# KiCad board Leonhart.kicad_pcb (continued)
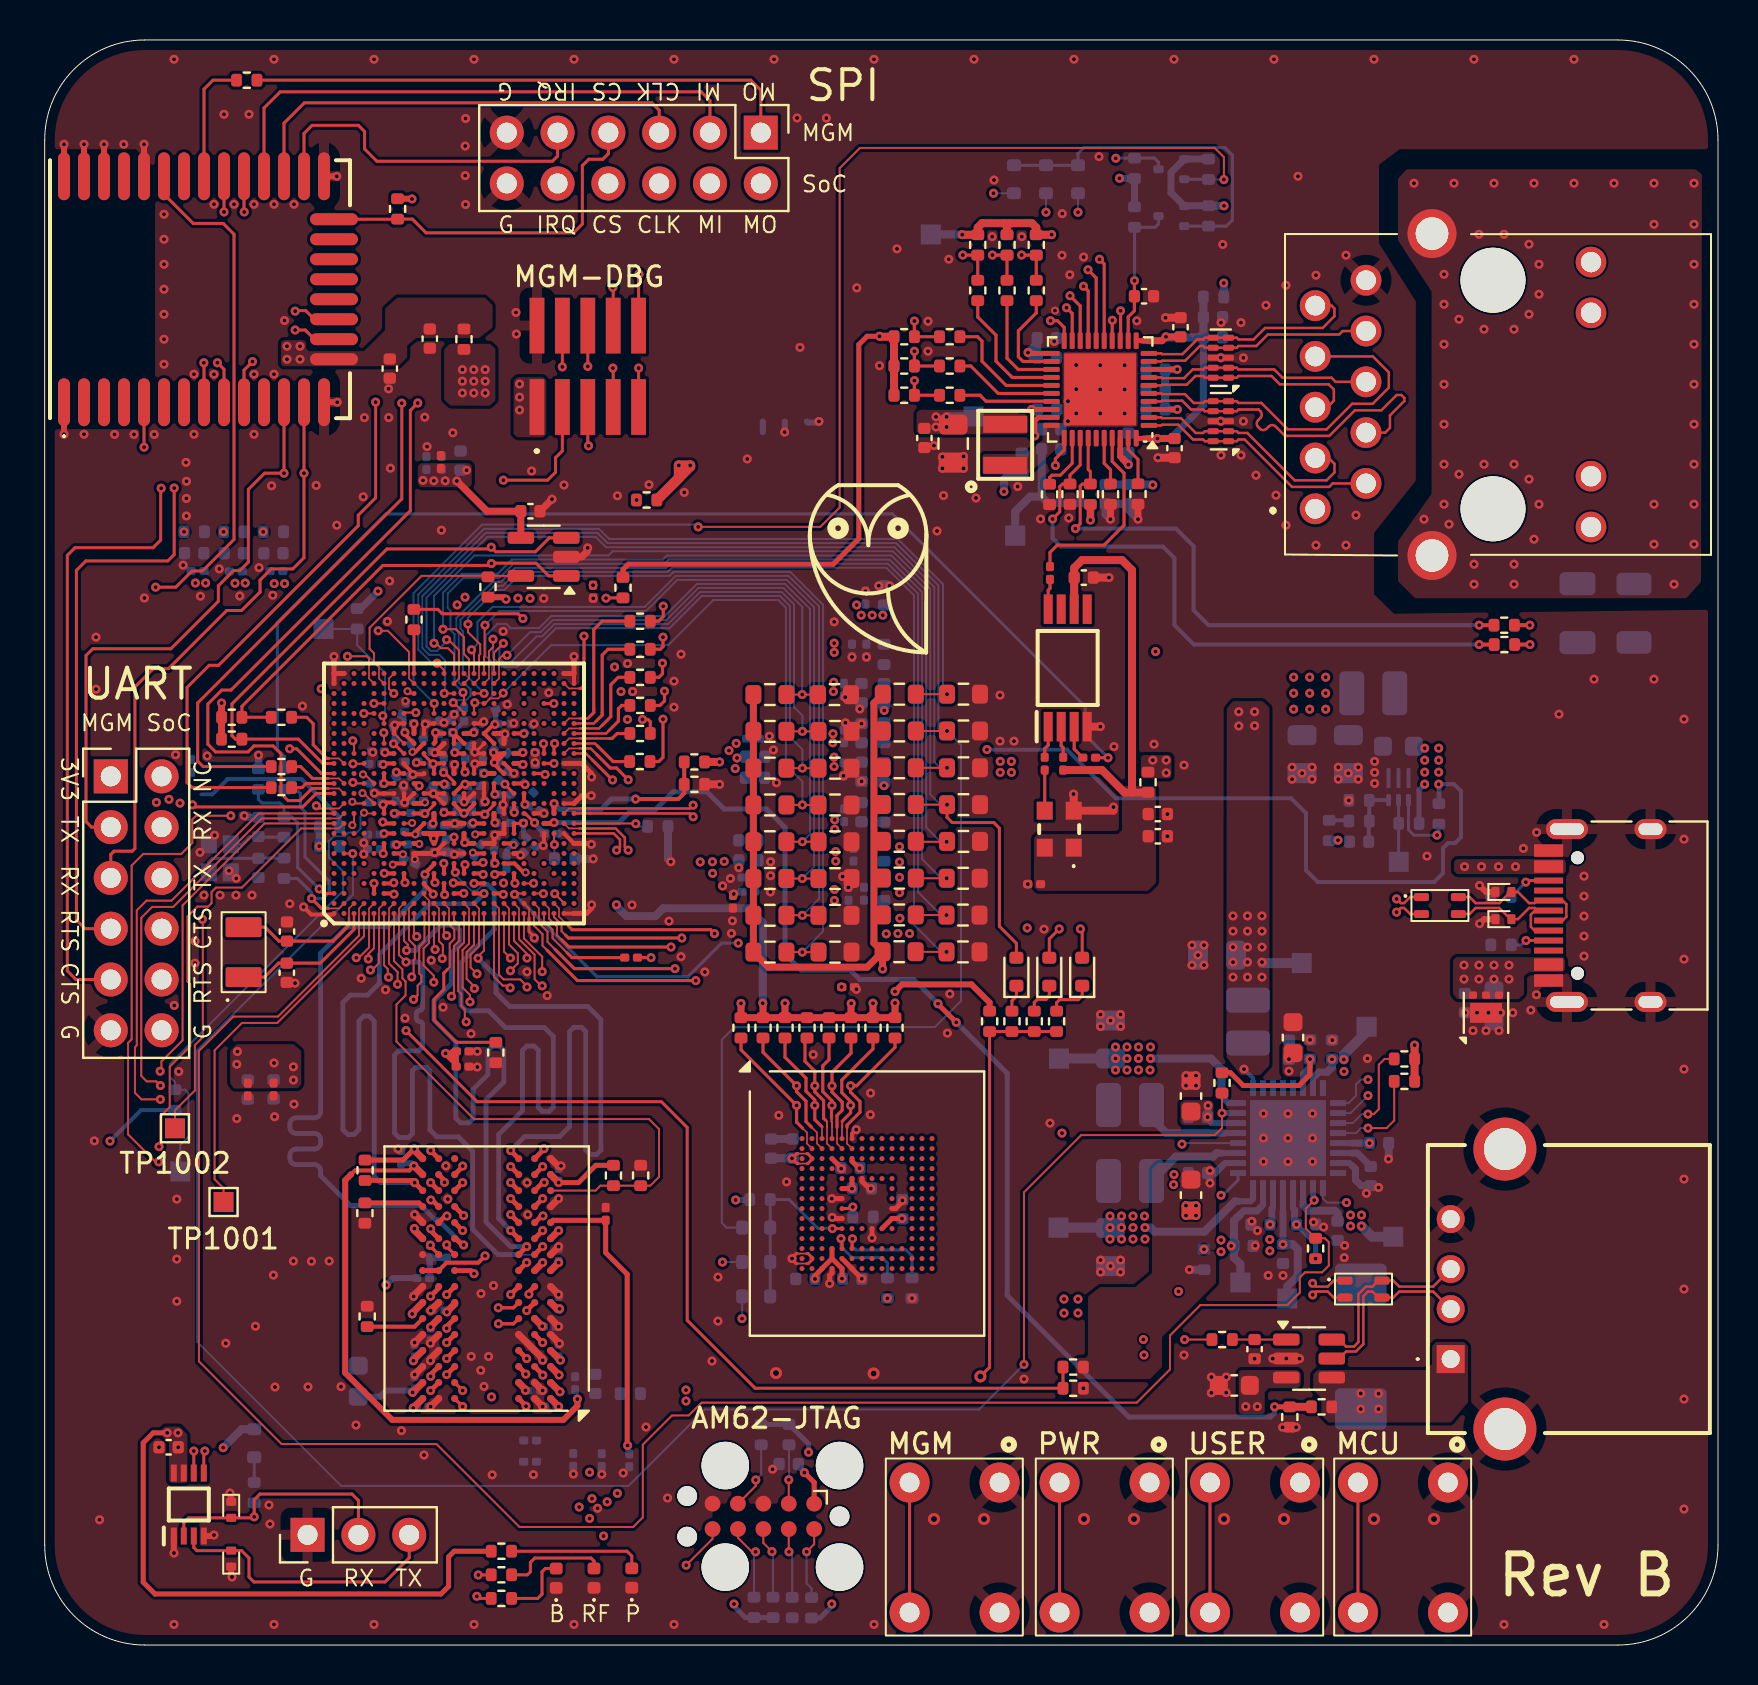
[diagram p0: board, top side]
## Routing (per net, layer and track width the routed paths; a pad name or vN(x,y) marks a point on that pad's centre or on a via; arc(x,y) is an arc through that point) (continued)
UART5_RTSn: length 24.4
  Top w0.081: 17.21,47.89 17.21,48.34 U1002.G25
  Top w0.102: 17.21,47.89 17.21,47.82 17.41,47.62 17.42,47.62 v1(17.45,47.59)
  In5.Cu w0.1: v1(17.45,47.59) 17.45,47.55 16.38,46.48 16.38,45.15 15.79,44.56 15.79,43.91 15.57,43.69 15.07,43.69
  In5.Cu w0.15: 15.07,43.69 14.95,43.69 14.13,42.88 8.49,42.88 8.3,42.69 8.3,41.17 8.09,40.97 8.09,40.14 8.21,40.02 8.21,38.7 7.08,37.56 7.08,35 6.62,34.54 6.04,34.54 5.85,34.35 5.85,33.29 J2001.10
UART5_RXD: length 20.1
  Top w0.1: v1(18.56,46.63) 18.55,46.63 18.01,46.63 U1002.H21
  In2.Cu w0.15: v1(18.56,46.63) 18.56,48.07 18.29,48.34 15.48,48.34 14.83,47.68 14.83,44.04 14.38,43.59 9.93,43.59 7.24,40.9 J2001.4
UART5_TXD: length 21.5
  Top w0.081: U1002.E24 16.21,48.34 16.21,48.91
  Top w0.1: v1(15.14,49.44) 16.11,49.44 16.21,49.34 16.21,48.91
  In5.Cu w0.15: v1(15.14,49.44) 14.59,48.9 14.59,43.95 13.87,43.23 8.17,43.23 7.86,42.92 7.86,41.76 7.31,41.2 7.31,38.61 7.06,38.36 J2001.6
USER_BTN: length 42.7
  Top w0.15: 50.59,30.68 47.24,30.68 47.24,13.89 v4(46.78,13.43) ; 58.26,8.12 58.26,1.62
  In5.Cu w0.15: v4(46.78,13.43) 46.78,12.59 48.03,11.34 57.13,11.34 58.26,10.21 58.26,8.12
VSYS_5V: length 67.7
  Top w0.4: 32.99,44.16 v1(33.74,44.16)
  In3.Cu w0.2: v1(47.11,44.78) 44.79,44.78 43.85,45.72 43.85,46.95 43.06,47.73 41.08,47.73 40.33,46.99 40.33,46.98 40.29,46.95 40.1,46.95 39.47,46.31 34.6,46.31 33.74,45.46 v1(33.74,44.16)
  In5.Cu w0.4: v1(57.23,18.77) 56.21,19.79 56.21,21.98 57.33,23.1 v1(58.26,23.1)
  Bottom w0.2: v1(47.11,44.78) 47.12,44.77 51.12,44.77 53.55,42.34 62.32,42.34 63.06,41.6 63.06,38.75 63.66,38.15 69.46,38.15 69.91,38.6 69.91,39.85 70.16,40.1 70.51,40.1 70.81,40.4 70.81,42.7 70.47,43.05 v1(69.7,43.05)
  Bottom w0.25: R3011.1 69.71,43.04 v1(69.7,43.05) ; R3010.1 68.72,42.77 v1(69,43.05)
  Bottom w0.3: U3001.13 65.36,25.1 ; 58.87,23.96 59.01,24.1 U3001.26 ; v1(58.14,26.4) 58.14,26.3 58.34,26.1 U3001.30
  Bottom w0.35: v1(58.26,23.1) 58.26,23.48 C3008.1 58.51,23.6 58.87,23.96 ; v1(58.16,26.98) 58.16,26.42 v1(58.14,26.4) ; 65.36,25.1 v1(66.24,25.1)
  Bottom w0.4: R3007.1 v1(57.23,18.77)
  vias: v1(58.26,23.73) v1(60.05,11.93) v1(60.63,11.93) v1(62.21,29.3) v1(62.21,28.7) v1(69,44.85) v1(69,44.25) v1(69,43.65) v1(69.7,44.85) v1(69.7,44.25) v1(69.7,43.65) v1(70.99,38.93) v1(70.96,34) v1(70.96,33.3) v1(71.71,34) v1(71.71,33.3) v1(71.84,38.93) v1(72.46,34) v1(72.46,33.3) v1(72.69,38.93) v1(73.21,34) v1(73.21,33.3) v1(73.54,38.93)
Net-(C1005-Pad1): length 4.4
  Bottom w0.157: X1002.3 8.2,39.16 8.38,39.34 C1005.1 10.69,39.35 R1047.2
Net-(C1006-Pad1): length 2.8
  Bottom w0.157: R1052.2 10.71,40.4 C1006.1 10.25,40.43 9.86,40.04 X1002.1
Net-(D1001-K): length 1.4
  Top w0.15: R1024.2 48.36,32.22 48.58,32.44 D1001.1
Net-(D1002-K): length 1.8
  Top w0.15: R1025.2 49.48,32.13 49.63,32.29 50.07,32.29 50.23,32.45 D1002.1
Net-(D1003-K): length 2.3
  Top w0.15: R1026.2 50.59,32.12 50.74,32.27 51.67,32.27 51.87,32.47 D1003.1
Net-(D7001-A): length 6.7
  Top w0.15: D7001.2 29.35,4.45 29.11,4.69 R7001.2
Net-(D7002-A): length 5.2
  Top w0.15: D7002.2 27.46,4.2 27.31,4.35 24.5,4.35 24.28,4.13 24.28,3.66 24.13,3.51 R7002.2
Net-(D7003-A): length 3.5
  Top w0.15: D7003.2 25.03,3.83 24.86,3.66 24.86,2.54 24.65,2.33 R7003.2
Net-(R3012-Pad2): length 1
  Bottom w0.2: R3013.1 65.17,41.24 R3012.2

## Copper pours and planes (outline as drawn; the poured copper is in the pictures)
/Power Circuitry [3]/VDD_3V3_SW on Bottom: 67.89,42.89 67.89,45.59 68.25,45.95 68.25,48.72 68.14,48.83 66.97,48.83 66.79,48.65 66.79,46.16 67.49,45.62 67.49,42.88 67.59,42.76 67.78,42.76
DVDD3V3_ETH on Bottom: 50.16,61.2 50.32,60.95 50.32,59.39 50.16,59.2 48.46,59.2 48.26,59.4 48.26,61 48.46,61.2
GND on Top, Bottom, In1.Cu, In2.Cu, In3.Cu, In4.Cu, In5.Cu, In6.Cu: 67.46,51.57 66.46,52.55 66.46,55.61 68.55,58.23 68.55,67.2 66.71,70.09 66.71,74.03 67.75,74.8 85.46,74.8 85.46,80.8 -1.54,80.8 -1.54,74.8 4.55,74.8 5.52,73.84 5.52,61.59 4.73,60.8 -1.54,60.8 -1.54,-0.2 85.46,-0.2 85.46,51.8
GND on Bottom: 57.51,23.88 57.51,22.83 57.84,22.62 57.86,21.25 57.66,21.12 56.94,21.12 56.76,21.25 56.76,23.88 56.89,23.95 57.34,23.95
GND on Bottom: 57.51,26.03 57.51,27.08 57.84,27.28 57.86,28.65 57.66,28.78 56.94,28.78 56.76,28.65 56.76,26.03 56.89,25.95 57.34,25.95
GND on In1.Cu, In2.Cu, In3.Cu, In4.Cu, In5.Cu, In6.Cu: 66.06,75.5 84.06,75.5 84.06,51.5 66.06,51.5
VDD1V0_ETH on Top: 49.17,61.41 49.02,61.56 48.72,61.56 48.56,61.77 43.74,61.77 43.59,61.62 43.59,60.69 43.73,60.55 49.07,60.55 49.17,60.69
VDD1V0_ETH on In4.Cu: 44.3,60.83 44.43,60.7 47.56,60.7 47.71,60.85 47.71,62.3 47.91,62.5 50.76,62.5 51.01,62.25 51.01,59.35 51.16,59.2 53.41,59.2 53.86,58.75 54.41,58.75 54.56,58.9 54.61,61.3 54.81,61.5 56.81,61.5 56.96,61.65 56.96,64.8 56.81,64.95 44.66,64.95 44.3,64.59
VDD1V8_CLKBUF on Top: 55.56,42.83 55.44,42.95 54.01,42.95 53.86,42.81 53.86,40.76 53.66,40.56 49.66,40.56 49.46,40.36 49.46,37.91 49.65,37.72 55.16,37.72 55.56,38.12
VDD_1V2 on Top, Bottom: 9.27,28.1 9.27,29.7 9.6,30.05 12.44,30.05 12.82,29.71 12.82,28.03 12.66,27.85 9.46,27.83
VDD_1V2 on Bottom: 22.18,12.66 21.95,12.44 21.97,10.57 22.14,10.41 23,10.4 23.22,10.15 23.22,8.98 23.33,8.88 24.1,8.88 24.18,8.96 24.19,10.49 24.19,10.98 24.05,11.16 23,11.16 22.84,11.32 22.84,12.44 22.61,12.66
VDD_1V2 on Bottom: 53.71,24.48 53.99,24.3 53.99,21.88 54.14,21.75 55.15,21.75 55.36,21.56 55.36,20.1 55.18,19.95 52.61,19.95 52.44,20.12 52.44,24.3 52.71,24.48
VDD_1V2 on In3.Cu: 28.42,37.61 23.65,37.61 21.21,39.44 21.21,40.3 20.96,40.57 19.21,40.57 18.71,40.2 18.71,39.3 18.21,38.8 12.22,38.8 8.5,36.12 8.5,12.95 10.73,10.32 20.11,10.32 24.2,5.94 52.15,5.94 56.49,10.55 56.5,19.62 56.14,19.95 55.7,19.95 55.44,20.25 55.44,21.38 55.18,21.75 52.04,21.75 51.28,21.06 51.31,15.73 48.52,12.08 34.62,12.09 29.76,17.11 29.76,36.38
VDD_1V8 on Top: 54.81,43.43 54.9,43.34 56.26,43.34 56.33,43.43 56.33,44.4 56.24,44.51 54.91,44.51 54.81,44.42
VDD_1V8 on Bottom: 42.37,52.22 42.37,51.39 42.25,51.23 40.45,51.23 40.34,51.34 40.34,52.23 40.49,52.38 42.25,52.38
VDD_1V8 on Bottom: 53.71,25.73 53.99,25.91 53.99,28.33 54.14,28.46 55.46,28.46 55.66,28.64 55.66,30.08 55.43,30.26 52.61,30.26 52.44,30.08 52.44,25.91 52.71,25.73
VDD_1V8 on Bottom: 6.58,42.48 6.84,42.72 6.84,43.66 7.04,43.88 7.86,43.88 8.02,43.68 8.02,42.04 7.88,41.9 5.34,41.9 5.26,41.98 5.26,42.36 5.38,42.48
VDD_1V8 on In2.Cu: 51.76,17.7 52.06,17.4 52.06,16.3 51.76,16.1 48.56,16.1 48.06,15.6 48.07,5.06 44.3,1.35 4.73,1.35 0.46,6.23 0.46,42.7 0.86,43.08 6.66,43.09 6.96,42.74 6.96,42 4.36,39.6 4.48,8.38 6.76,5.9 9.25,5.9 11.31,3.5 15.55,3.5 18.04,5.9 27.94,5.9 31.93,9.9 43.36,9.9 44.96,11.4 44.96,17.4 45.3,17.7
VDD_1V8 on In3.Cu: 5.46,41.4 5.26,41.6 5.26,43.3 5.46,43.5 13.96,43.5 14.36,43.2 16.06,43.2 17.16,42.2 17.16,41 16.96,40.9 15.16,40.9 14.96,41.2 14.96,41.5 14.46,42 7.76,42 6.96,41.4
VDD_1V8 on In3.Cu: 41.98,31.08 41.06,30.18 41.07,23.83 40.77,23.55 39.97,23.55 39.38,23.06 39.38,21.23 39.96,20.7 43.05,20.7 43.43,21.12 43.45,27.1 48.97,31.61 48.95,45.59 48.04,46.6 45.25,46.6 43.18,48.67 43.18,50.44 42.46,51.13 38.75,51.13 37.16,49.5 32.49,49.5 30.83,47.72 26.32,47.72 23.88,45.38 20.33,45.38 20.16,45.58 20.15,47.46 26.79,52.61 30.65,52.61 36.04,57.38 48.96,57.37 49.15,57.18 49.15,52.63 51.2,50.83 54.91,50.81 56.55,49.32 56.55,27.33 55.22,26 49.74,26 46.25,22.69 46.25,19.3 44.58,16.91 37.04,16.91 34.25,19.7 34.25,32.29 35.9,34.2 42.55,34.2 43.07,33.79 43.08,31.76 42.48,31.08
VDD_1V8 on In4.Cu: 55.56,28.4 55.76,28.6 55.76,30 55.56,30.3 51.16,30.3 50.66,29.8 50.66,16.5 50.96,16.2 52.16,16.2 52.46,16.5 52.46,28.1 52.76,28.4
VDD_2V5 on Bottom: 29.71,13.17 29.47,12.95 29.47,12.11 29.71,11.91 32.23,11.91 32.41,12.12 32.41,12.94 32.23,13.17
VDD_2V5 on Bottom: 58.66,20.5 59.66,20.5 59.76,20.4 59.76,19.45 59.66,19.4 58.66,19.4 58.56,19.5 58.56,20.4
VDD_2V5 on In4.Cu: 59.96,20.6 60.17,20.39 60.17,12.54 59.43,11.8 32,11.8 31.71,12.09 31.71,12.82 32.49,13.6 56.76,13.6 57.96,14.8 57.96,20.4 58.16,20.6
VDD_3V3 on Top: 22.53,64.82 22.27,65.07 20.24,65.07 19.97,64.78 19.97,62.27 20.3,61.98 22.24,61.97 22.53,62.24
VDD_3V3 on Top: 5.86,10.79 6,10.92 6.75,10.92 7.13,10.51 7.13,8.17 7.06,8.11 6.3,8.11 6.21,8.2 6.21,10.15 5.86,10.42
VDD_3V3 on Top, Bottom: 21.35,58.99 21.22,59.1 18.82,59.1 18.65,58.97 18.65,58.05 18.82,57.9 21.22,57.9 21.35,58.05
VDD_3V3 on Bottom: 65.85,44.75 66.1,45.05 66.1,48.6 65.85,48.85 62.25,48.85 62,48.6 62,45.05 62.25,44.75
VDD_3V3 on Bottom: 65.49,40.57 63.91,40.57 63.79,40.45 63.79,39.9 63.91,39.77 65.49,39.77 65.61,39.92 65.61,40.45
VDD_3V3 on In3.Cu: 48.44,44.45 48.61,44.25 48.61,31.83 43.09,27.23 43.09,21.2 42.91,21.03 40.15,21.03 39.74,21.38 39.74,22.93 40.11,23.25 41.04,23.25 41.39,23.6 41.39,29.79 45.99,33.56 45.99,44.18 46.26,44.45
VDD_3V3 on In3.Cu: 59.96,38.8 59.26,39.56 59.26,47.73 55.25,51.3 51.56,51.3 49.56,53.09 49.56,57.27 49.25,57.58 47.25,57.58 46.84,58.2 35.92,58.2 29.86,52.9 26.66,52.9 19.87,47.56 19.87,45.76 19.66,45.41 19.15,45.41 18.92,45.64 18.92,46.72 18.59,47.29 18.59,54.03 20.37,55.8 29.16,55.8 30.26,56.9 30.26,57.5 29.93,57.95 19.81,57.95 17.09,55.23 17.09,51.07 13.21,47.26 13.26,44.69 12.51,43.94 5.32,43.94 4.86,43.5 4.86,41.5 5.36,41 7.08,41 8.03,41.67 14.16,41.67 14.36,41.52 14.36,41.21 10.38,38.32 8.28,38.32 7.64,37.85 7.59,12.38 9.29,10.21 9.29,9.28 9.04,8.98 2.13,8.98 0.99,10.5 0.99,50.28 24.69,73.51 56.25,73.52 59.66,69.26 59.66,55.7 64.86,50.55 64.86,39.4 64.16,38.8
VDD_3V3 on In4.Cu: 64.67,48.49 64.36,48.79 62.26,48.79 61.99,48.52 61.99,45.02 60.93,44 56.96,44 56.26,44.7 47.66,44.7 47.36,44.4 47.36,41.7 47.66,41.4 63.98,41.39 64.48,41.92
VDD_3V3 on In5.Cu: 61.96,41.5 61.66,41.2 61.66,33.2 60.96,32.6 60.96,20.9 61.16,20.7 61.76,20.7 61.96,20.9 61.96,21.6 62.3,21.98 63.96,21.98 64.49,22.62 64.49,24.37 65.69,25.57 65.69,40.94 65.32,41.5
VDD_CANUART on Bottom: 9.27,53.25 9.34,53.33 9.52,53.33 9.6,53.42 9.6,55.95 9.73,56.07 10.13,56.07 10.27,55.95 10.27,52.91 10.2,52.84 9.37,52.84 9.27,52.96
VDD_CORE on Top: 34.94,39.04 34.76,39.18 33.81,39.18 33.64,39.02 33.64,37.41 33.82,37.25 34.76,37.25 34.94,37.42
VDD_CORE on Top: 59.81,28.49 59.08,29.4 59.1,46.83 59.4,47.2 60.89,47.2 61.23,46.89 61.23,28.99 60.77,28.5
VDD_CORE on Bottom: 35.12,40.59 34.96,40.74 33.36,40.74 33.18,40.58 33.18,37.44 33.38,37.25 34.92,37.25 35.12,37.41
VDD_CORE on Bottom: 59.16,31.55 58.96,31.75 58.96,36.7 59.16,36.9 61.06,36.9 61.31,36.65 61.31,31.75 61.06,31.55
VDD_CORE on In3.Cu: 43.57,35.47 43.42,35.31 41.8,35.31 41.54,35.6 41.57,47.18 41.7,47.33 42.21,47.33 42.34,47.18 42.39,37.26 42.74,36.83 43.42,36.83 43.57,36.67
VDD_CORE on In4.Cu: 60.86,45.5 61.16,45.8 61.16,48 58.46,51 51.56,51 39.52,62.5 11.71,62.41 8.66,59.81 8.66,55.6 8.86,55.4 9.36,55.4 9.96,56 9.96,57.91 11.85,59.7 38.62,59.7 50.22,48.3 55.96,48.3 58.66,45.5
VDD_CORE on In4.Cu: 40.17,33.21 41.06,32.52 60.71,32.55 61.21,33.18 61.21,36.55 61.01,36.76 37.55,36.75 34,40.07 25.43,40.08 22.95,42.84 22.95,44.89 22.45,45.42 19.21,45.42 18.76,44.94 18.76,43.5 18.22,42.96 18.22,40.95 22.03,38.5 25.05,38.5 30.65,33.21
VDD_MGM on Top: 24.92,63.4 25.08,63.22 25.08,60.56 24.92,60.4 23.62,60.4 23.44,60.56 23.44,63.22 23.62,63.4
VDD_MGM on Top: 17.68,63.95 18.12,64.39 18.12,64.99 18.58,65.36 21.71,65.36 22.39,65.88 22.39,67.01 22.01,67.38 17.63,67.38 17.02,66.83 17.02,65.75 15.96,64.7 13.21,64.7 13.06,64.85 13.06,65.15 12.96,65.25 11.91,65.25 11.81,65.15 11.81,64.05 11.91,63.95
VDD_MGM on In3.Cu: 20.05,69.85 13.44,63.36 11.94,63.36 9.86,65.67 9.85,67.18 16.5,73.56 17.86,73.57 20.06,71.17
VDD_SD on Bottom: 64.16,29.65 65.06,29.65 65.21,29.5 65.21,28.5 65.11,28.4 64.15,28.4 64.01,28.55 64.01,29.5
VDDA_1V8 on Bottom: 61.09,20.54 60.98,20.44 60.98,19.55 61.05,19.47 62.11,19.47 62.21,19.56 62.21,20.44 62.1,20.54
VDDA_1V8 on Bottom: 41.76,37.7 42.27,37.7 42.55,37.35 43.01,37.35 43.16,37.5 43.16,49.2 43.02,49.35 41.73,49.35 41.59,49.22 41.61,37.83
VDDA_1V8 on In4.Cu: 60.61,19.55 60.86,19.35 63.76,19.35 64.01,19.55 63.99,29.9 64.36,30.35 64.96,30.35 65.41,30.85 65.41,38.33 65.03,38.71 61.73,38.72 61.46,39.04 61.46,40.58 61.18,40.85 47.02,40.85 46.36,41.5 46.35,49.6 40.03,56.07 6.43,56.07 6.1,55.73 6.1,54.16 6.41,53.83 10.25,53.83 11.29,52.7 11.29,45.56 11.76,45.08 11.76,43.65 12.41,43 16.96,43 17.36,43.36 17.36,44.35 14.11,47.2 14.11,52.16 14.61,52.72 35.72,52.73 41.53,46.58 41.51,38.08 42.34,37.25 61.24,37.25 61.71,36.8 61.71,31.42 61.31,30.95 60.88,30.95 60.61,30.65
VDDA_1V8_CSIRX on Bottom: 40.42,44.81 42.21,44.81 42.29,44.91 42.29,45.34 42.21,45.41 39.67,45.41 39.64,45.44 39.64,45.69 39.52,45.8 39.31,45.8 39.18,45.69 39.18,44.96 39.31,44.88 40.36,44.88
VDDA_1V8_MCU on Bottom: 7.28,53.25 7.38,53.36 7.57,53.36 7.64,53.45 7.64,55.95 7.77,56.07 8.17,56.07 8.31,55.95 8.31,52.91 8.24,52.84 7.34,52.84 7.28,52.92
VDDA_1V8_OLDI on Bottom: 42.21,38.91 42.28,39 42.28,39.42 42.2,39.5 39.91,39.5 39.81,39.63 39.81,39.87 39.71,39.97 39.38,39.97 39.29,39.9 39.29,39.08 39.43,38.91
VDDA_1V8_USB on Bottom: 42.2,40.86 42.28,40.96 42.28,41.39 42.2,41.46 39.65,41.46 39.58,41.49 39.34,41.49 39.24,41.36 39.24,40.68 39.37,40.54 39.63,40.54 39.74,40.65 39.74,40.78 39.83,40.86
VDDA_1V8_USB on In4.Cu: 39.61,40.5 30.21,40.5 29.94,40.75 26.31,40.75 26.01,41 26.01,41.75 26.3,41.99 30.3,41.99 30.81,41.55 39.61,41.55 39.76,41.4 39.76,40.65
VDDA_CORE_CSI on Bottom: 42.22,48.38 42.3,48.28 42.3,47.85 42.22,47.78 39.83,47.78 39.57,47.46 39.33,47.46 39.23,47.57 39.23,48.31 39.3,48.38
VDDA_CORE_USB on Bottom: 42.21,43.84 42.29,43.94 42.29,44.37 42.21,44.44 39.76,44.44 39.6,44.64 39.34,44.64 39.23,44.54 39.23,43.83 39.34,43.69 39.6,43.69 39.79,43.84
VDDA_PLL0 on Bottom: 42.25,36.94 42.33,37.04 42.33,37.47 42.25,37.54 39.87,37.54 39.75,37.67 39.74,37.91 39.65,38.03 39.36,38.03 39.24,37.91 39.24,37.02 39.3,36.94
VDDA_PLL1 on Bottom: 42.22,50.34 42.3,50.24 42.3,49.81 42.22,49.74 39.87,49.74 39.6,49.4 39.35,49.4 39.23,49.53 39.23,50.27 39.3,50.34
VDDA_PLL2 on Bottom: 11.24,53.29 11.31,53.36 11.56,53.36 11.6,53.42 11.6,55.97 11.73,56.09 12.13,56.09 12.27,55.97 12.27,52.9 12.19,52.82 11.32,52.82 11.24,52.91
VDDR_CORE on Bottom: 35.37,43.08 35.37,45.48 35.29,45.56 34.08,45.56 33.99,45.48 33.99,43.08 34.12,42.97 35.24,42.97
VDDR_CORE on Bottom: 64.24,21.6 64.44,21.8 65.93,21.8 66.14,21.61 66.14,20.85 65.94,20.65 64.44,20.65 64.24,20.85
VDDR_CORE on In3.Cu: 56.84,25.5 57.49,25.03 57.49,23.22 58.21,22.45 65.84,22.45 66.26,21.9 66.26,18.9 65.76,18.4 57.18,18.4 56.9,18.72 56.9,19.76 56.45,20.25 55.93,20.25 55.73,20.49 55.73,21.56 55.13,22.3 51.86,22.3 50.76,21.4 50.76,16.1 48.36,12.7 34.96,12.7 30.26,17.4 30.26,36.7 28.59,38.13 24.02,38.13 21.56,39.77 21.56,40.62 21.16,41.06 20.02,41.06 19.7,41.47 18.68,41.47 18.34,41.85 18.33,44.2 18.51,44.4 21.16,44.4 21.36,44.2 21.36,43.72 21.92,43.23 22.21,43.23 22.74,42.7 22.74,41.8 24.12,40.14 34.53,40.13 35.96,38.98 35.96,34.99 33.76,32.42 33.76,19.6 37.05,16.4 44.86,16.4 46.76,19.3 46.76,22.5 49.94,25.5
VDDR_CORE on In5.Cu: 32.31,38.55 32.61,38.25 35.36,38.25 35.61,38.55 35.61,45.35 35.46,45.5 34.81,45.5 32.31,43
/Ethernet [5]/ETH_PHY_REGOUT on Top: 46.97,59.56 46.88,59.47 46.88,58.61 46.95,58.54 49.13,58.54 50.76,59.97 50.76,61.1 50.71,61.15 49.96,61.15 49.89,61.12 49.89,60.26 49.05,59.56
/Power Circuitry [3]/PMIC_B1_O on Bottom: 61.56,27.45 61.51,27.4 60.76,27.4 60.71,27.45 60.71,28.95 60.26,29.4 59.15,29.4 58.96,29.64 58.96,30.5 59.09,30.8 61.26,30.8 61.56,30.5
/USB and MMC [6]/USB_A_VBUS on Top: 63.63,13.75 69.06,13.75 69.36,14.05 69.36,14.95 69.56,15.15 70.96,15.15 71.16,14.95 71.16,12.14 70.31,11.13 64.19,11.13 63.83,11.49 63.83,12.34 63.42,12.76 63.42,13.54
CGND on Top, Bottom: 68.1,73.8 67.66,73.33 67.66,70.25 69.34,67.68 69.34,57.57 67.66,55.2 67.66,53.2 68.51,52.35 82.09,52.35 82.82,53.17 82.86,73.53 82.53,73.8
DDR_VPP on Bottom: 25.5,13.02 28.95,13.02 29.12,12.85 29.12,12.03 28.96,11.89 26.33,11.9 26.21,12.02 26.21,12.23 26.06,12.39 25.5,12.39 25.36,12.53 25.36,12.87
DDR_VREFCA on Bottom: 24.36,10.61 24.36,8.89 25.46,8.89 25.61,9.03 25.61,9.16 25.75,9.32 29.37,9.32 29.53,9.46 29.53,10.61 29.37,10.76 24.54,10.76
VSYS_5V on Top: 58.25,27.25 58.44,27.12 58.44,26.1 58.26,26 56.94,26 56.79,26.1 56.79,27.12 56.98,27.25
VSYS_5V on Top: 76.06,38.7 75.96,38.55 70.61,38.55 70.46,38.7 70.46,39.18 70.59,39.3 75.96,39.3 76.06,39.15
VSYS_5V on Top: 55.66,24.1 55.36,23.8 55.36,18.6 54.52,17.9 52.76,17.9 52.16,17.43 52.16,14.48 52.03,14.36 51.67,14.36 51.54,14.23 51.54,13.43 51.66,13.3 55.26,13.3 55.86,13.9 55.86,15.4 58.56,18.1 58.56,23.8 58.26,24.1
VSYS_5V on Top: 62.8,13.6 62.65,13.75 59.8,13.75 59.7,13.65 59.7,11.65 59.8,11.55 60.9,11.55 61,11.65 61,12.65 61.2,12.85 62.65,12.85 62.8,13
VSYS_5V on Top: 76.01,34.25 75.91,34.4 70.56,34.4 70.41,34.25 70.41,32.55 70.62,32.3 73.71,32.3 73.96,32.55 73.96,33.45 74.21,33.65 75.91,33.65 76.01,33.8
VSYS_5V on Top: 62.05,30.09 61.88,29.92 61.88,28.61 62.05,28.42 62.78,28.42 62.94,28.61 62.94,29.93 62.78,30.09
VSYS_5V on Bottom: 73.51,34.4 70.56,34.4 70.41,34.25 70.41,32.55 70.62,32.3 73.51,32.3 73.71,32.5 73.71,34.2
VSYS_5V on Bottom: 70.15,42.9 70,42.75 68.15,42.75 68,42.9 68,45.35 68.15,45.5 69.95,45.5 70.15,45.3
VSYS_5V on Bottom: 61.76,27.4 61.71,27.45 61.71,28.3 61.81,28.35 61.81,29.5 61.96,29.6 62.46,29.6 62.56,29.53 62.56,27.43 62.51,27.4
VSYS_5V on In3.Cu: 73.96,45.3 73.46,45.8 68.71,45.8 68.21,45.3 68.21,33.3 67.21,32.3 58.71,32.3 57.86,31.45 57.86,23.2 58.21,22.77 66.26,22.77 66.61,22.33 66.61,18.68 66.04,18.05 59.51,18.08 59.14,17.7 59.14,11.78 59.44,11.35 69.1,11.32 69.71,11.9 69.71,25.8 71.21,27.3 73.46,27.3 73.96,27.8

Small or netless copper shapes (teardrops, artwork), in the pictures only: 3 on Top, 4 on Bottom

## Text on the board
B.Silkscreen: 05/26
F.Silkscreen: MGM | SoC | G | RX | TX | IRQ | B | RF | CS | P | CLK | MI | MO | NC | CTS | RTS | 3V3 | MGM-DBG | AM62-JTAG | PWR | USER | MCU | UART | SPI | Rev B
